# Altium PCB Slave.PcbDoc (part 6 of 12) (continued)
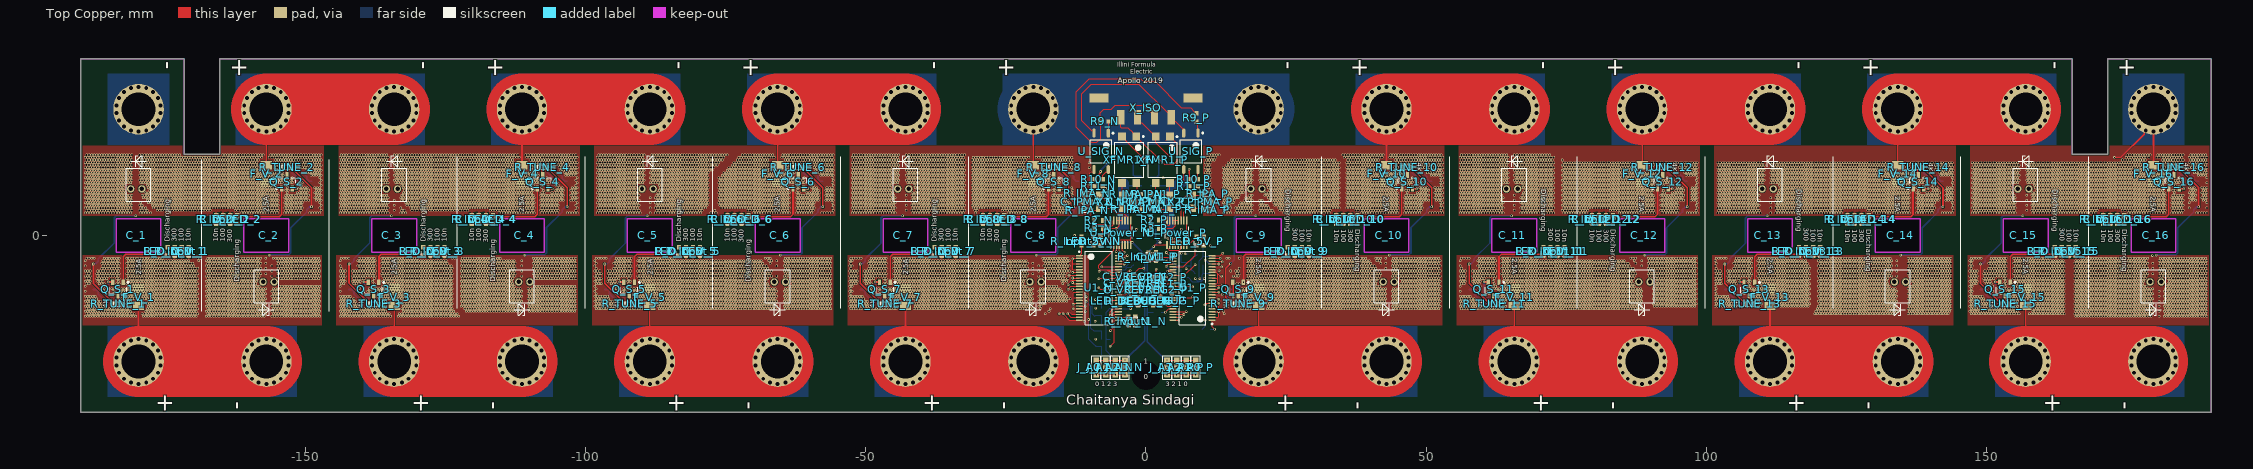
[diagram p0: Top Copper view]
## Nets (pads, with @x,y where several pads share a name; then routed paths per layer and width w, separated by ;. In a path a pad name is that pad's centre, name@x,y a point inside that pad or via, vN(x,y) a via of type N, cw(c..) or ccw(c..) an arc to the next point about the centre after c; other vN are vias at no path point) (continued)
-81.65,13.9 -81.2,13.9 -80.75,13.9 -80.3,13.9 -79.85,13.9 -79.4,13.9 -78.95,13.9 -78.5,13.9 -78.05,13.9 -77.6,13.9 -77.15,13.9 -76.7,13.9 -76.25,13.9 -75.8,13.9 -75.35,13.9 -72.65,13.9 -72.2,13.9 -71.75,13.9 -71.3,13.9 -70.85,13.9 -70.4,13.9 -69.95,13.9 -69.5,13.9 -69.05,13.9 -68.6,13.9 -68.15,13.9 -67.7,13.9 -67.25,13.9 -66.8,13.9 -66.35,13.9 -65,13.9 -64.55,13.9 -64.1,13.9 -63.65,13.9 -63.2,13.9 -62.75,13.9 -62.3,13.9 -61.85,13.9 -61.4,13.9 -60.95,13.9 -60.5,13.9 -60.05,13.9 -59.6,13.9 -59.15,13.9 -58.7,13.9 -58.25,13.9 -57.8,13.9 -57.35,13.9 -56.9,13.9 -56.45,13.9 -56,13.9 -97.625,14.35 -97.175,14.35 -96.725,14.35 -96.275,14.35 -95.825,14.35 -95.375,14.35 -94.925,14.35 -94.475,14.35 -94.025,14.35 -93.575,14.35 -93.125,14.35 -92.675,14.35 -92.225,14.35 -91.775,14.35 -91.325,14.35 -90.875,14.35 -90.425,14.35 -89.975,14.35 -89.525,14.35 -88.175,14.35 -87.725,14.35 -87.275,14.35 -86.825,14.35 -86.375,14.35 -85.925,14.35 -85.475,14.35 -85.025,14.35 -84.575,14.35 -84.125,14.35 -83.675,14.35 -83.225,14.35 -82.775,14.35 -82.325,14.35 -81.875,14.35 -81.425,14.35 -80.975,14.35 -80.525,14.35 -80.075,14.35 -79.625,14.35 -79.175,14.35 -78.725,14.35 -78.275,14.35 -77.825,14.35 -77.375,14.35 -76.925,14.35 -76.475,14.35 -76.025,14.35 -75.575,14.35 -75.125,14.35 -74.675,14.35 -71.975,14.35 -71.525,14.35 -71.075,14.35 -70.625,14.35 -70.175,14.35 -69.725,14.35 -69.275,14.35 -68.825,14.35 -68.375,14.35 -67.925,14.35 -67.475,14.35 -67.025,14.35 -66.575,14.35 -64.775,14.35 -64.325,14.35 -63.875,14.35 -63.425,14.35 -62.975,14.35 -62.525,14.35 -62.075,14.35 -61.625,14.35 -61.175,14.35 -60.725,14.35 -60.275,14.35 -59.825,14.35 -59.375,14.35 -58.925,14.35 -58.475,14.35 -58.025,14.35 -57.575,14.35 -57.125,14.35 -56.675,14.35 -56.225,14.35 -55.775,14.35
F_7: C_V_7.2 F_V_7.2 PTC_7.2 Q_D_7.2 R_D_LED_7.2 R_Input_7.1 | length 3.9
  Top Copper w0.254: R_D_LED_7.2@-36.45,-3.6 R_Input_7.1@-35.2,-3.6 C_V_7.2@-33.95,-3.6
  Top Copper w0.305: F_V_7.2@-42.925,-9.48 v1@-42.925,-8.1
  other v1: -11.001,-15.35 -17.976,-14 -17.301,-13.55 -52.625,-13.1 -52.175,-13.1 -51.725,-13.1 -51.275,-13.1 -50.825,-13.1 -50.375,-13.1 -49.925,-13.1 -49.475,-13.1 -49.025,-13.1 -48.575,-13.1 -48.125,-13.1 -47.675,-13.1 -47.225,-13.1 -46.775,-13.1 -46.325,-13.1 -45.875,-13.1 -45.425,-13.1 -44.975,-13.1 -44.525,-13.1 -41.375,-13.1 -40.925,-13.1 -40.475,-13.1 -40.026,-13.1 -39.576,-13.1 -39.126,-13.1 -38.676,-13.1 -38.226,-13.1 -37.776,-13.1 -37.326,-13.1 -36.876,-13.1 -36.426,-13.1 -35.976,-13.1 -35.526,-13.1 -35.076,-13.1 -34.626,-13.1 -34.176,-13.1 -33.726,-13.1 -33.276,-13.1 -32.826,-13.1 -32.376,-13.1 -31.926,-13.1 -31.476,-13.1 -31.026,-13.1 -30.576,-13.1 -30.126,-13.1 -29.676,-13.1 -29.226,-13.1 -28.776,-13.1 -28.326,-13.1 -27.876,-13.1 -27.426,-13.1 -26.976,-13.1 -26.526,-13.1 -26.076,-13.1 -25.626,-13.1 -25.176,-13.1 -24.726,-13.1 -24.276,-13.1 -23.826,-13.1 -23.376,-13.1 -22.926,-13.1 -22.476,-13.1 -22.026,-13.1 -21.576,-13.1 -21.126,-13.1 -20.676,-13.1 -20.226,-13.1 -18.876,-13.1 -17.076,-13.1 -52.85,-12.65 -52.4,-12.65 -51.95,-12.65 -51.5,-12.65 -51.05,-12.65 -50.6,-12.65 -50.15,-12.65 -49.7,-12.65 -49.25,-12.65 -48.8,-12.65 -44.75,-12.65 -44.3,-12.65 -41.15,-12.65 -40.7,-12.65 -40.25,-12.65 -39.8,-12.65 -39.351,-12.65 -38.901,-12.65 -38.451,-12.65 -38.001,-12.65 -37.551,-12.65 -37.101,-12.65 -36.651,-12.65 -36.201,-12.65 -35.751,-12.65 -35.301,-12.65 -34.851,-12.65 -34.401,-12.65 -33.951,-12.65 -33.501,-12.65 -33.051,-12.65 -32.601,-12.65 -32.151,-12.65 -31.701,-12.65 -31.251,-12.65 -30.801,-12.65 -30.351,-12.65 -29.901,-12.65 -29.451,-12.65 -29.001,-12.65 -28.551,-12.65 -28.101,-12.65 -27.651,-12.65 -27.201,-12.65 -26.751,-12.65 -26.301,-12.65 -25.851,-12.65 -25.401,-12.65 -24.951,-12.65 -24.501,-12.65 -24.051,-12.65 -23.601,-12.65 -23.151,-12.65 -22.701,-12.65 -22.251,-12.65 -21.801,-12.65 -21.351,-12.65 -20.901,-12.65 -20.451,-12.65 -19.101,-12.65 -18.651,-12.65 -52.625,-12.2 -52.175,-12.2 -51.725,-12.2 -51.275,-12.2 -50.825,-12.2 -50.375,-12.2 -49.925,-12.2 -49.475,-12.2 -44.975,-12.2 -44.525,-12.2 -41.375,-12.2 -40.925,-12.2 -40.475,-12.2 -40.026,-12.2 -39.576,-12.2 -39.126,-12.2 -38.676,-12.2 -38.226,-12.2 -37.776,-12.2 -37.326,-12.2 -36.876,-12.2 -36.426,-12.2 -35.976,-12.2 -35.526,-12.2 -35.076,-12.2 -34.626,-12.2 -34.176,-12.2 -33.726,-12.2 -33.276,-12.2 -32.826,-12.2 -32.376,-12.2 -31.926,-12.2 -31.476,-12.2 -31.026,-12.2 -30.576,-12.2 -30.126,-12.2 -29.676,-12.2 -29.226,-12.2 -28.776,-12.2 -28.326,-12.2 -27.876,-12.2 -27.426,-12.2 -26.976,-12.2 -26.526,-12.2 -26.076,-12.2 -25.626,-12.2 -25.176,-12.2 -24.726,-12.2 -24.276,-12.2 -23.826,-12.2 -23.376,-12.2 -22.926,-12.2 -22.476,-12.2 -22.026,-12.2 -21.576,-12.2 -21.126,-12.2 -20.676,-12.2 -20.226,-12.2 -18.876,-12.2 -18.426,-12.2 -17.976,-12.2 -52.85,-11.75 -52.4,-11.75 -51.95,-11.75 -51.5,-11.75 -51.05,-11.75 -50.6,-11.75 -50.15,-11.75 -49.7,-11.75 -44.75,-11.75 -44.3,-11.75 -41.15,-11.75 -40.7,-11.75 -40.25,-11.75 -39.8,-11.75 -39.351,-11.75 -38.901,-11.75 -38.451,-11.75 -38.001,-11.75 -37.551,-11.75 -37.101,-11.75 -36.651,-11.75 -36.201,-11.75 -35.751,-11.75 -35.301,-11.75 -34.851,-11.75 -34.401,-11.75 -33.951,-11.75 -33.501,-11.75 -33.051,-11.75 -32.601,-11.75 -32.151,-11.75 -31.701,-11.75 -31.251,-11.75 -30.801,-11.75 -30.351,-11.75 -29.901,-11.75 -29.451,-11.75 -29.001,-11.75 -28.551,-11.75 -28.101,-11.75 -27.651,-11.75 -27.201,-11.75 -26.751,-11.75 -26.301,-11.75 -25.851,-11.75 -25.401,-11.75 -24.951,-11.75 -24.501,-11.75 -24.051,-11.75 -23.601,-11.75 -23.151,-11.75 -22.701,-11.75 -22.251,-11.75 -21.801,-11.75 -21.351,-11.75 -20.901,-11.75 -20.451,-11.75 -19.101,-11.75 -18.651,-11.75 -18.201,-11.75 -17.751,-11.75 -17.301,-11.75 -16.851,-11.75 -16.401,-11.75 -15.951,-11.75 -15.501,-11.75 -15.051,-11.75 -14.601,-11.75 -14.151,-11.75 -52.625,-11.3 -52.175,-11.3 -51.725,-11.3 -51.275,-11.3 -50.825,-11.3 -50.375,-11.3 -45.875,-11.3 -45.425,-11.3 -44.975,-11.3 -44.525,-11.3 -44.075,-11.3 -43.625,-11.3 -43.175,-11.3 -42.725,-11.3 -42.275,-11.3 -41.825,-11.3 -41.375,-11.3 -40.925,-11.3 -40.475,-11.3 -40.026,-11.3 -39.576,-11.3 -39.126,-11.3 -38.676,-11.3 -38.226,-11.3 -37.776,-11.3 -37.326,-11.3 -36.876,-11.3 -36.426,-11.3 -35.976,-11.3 -35.526,-11.3 -35.076,-11.3 -34.626,-11.3 -34.176,-11.3 -33.726,-11.3 -33.276,-11.3 -32.826,-11.3 -32.376,-11.3 -31.926,-11.3 -31.476,-11.3 -31.026,-11.3 -30.576,-11.3 -30.126,-11.3 -29.676,-11.3 -29.226,-11.3 -28.776,-11.3 -28.326,-11.3 -27.876,-11.3 -27.426,-11.3 -26.976,-11.3 -26.526,-11.3 -26.076,-11.3 -25.626,-11.3 -25.176,-11.3 -24.726,-11.3 -24.276,-11.3 -23.826,-11.3 -23.376,-11.3 -22.926,-11.3 -22.476,-11.3 -22.026,-11.3 -21.576,-11.3 -21.126,-11.3 -20.676,-11.3 -20.226,-11.3 -18.876,-11.3 -18.426,-11.3 -17.976,-11.3 -17.526,-11.3 -17.076,-11.3 -16.626,-11.3 -16.176,-11.3 -15.726,-11.3 -15.276,-11.3 -14.826,-11.3 -14.376,-11.3 -13.926,-11.3 -13.476,-11.3 -52.85,-10.85 -52.4,-10.85 -51.95,-10.85 -51.5,-10.85 -51.05,-10.85 -50.6,-10.85 -45.65,-10.85 -45.2,-10.85 -44.75,-10.85 -44.3,-10.85 -43.85,-10.85 -43.4,-10.85 -42.95,-10.85 -42.5,-10.85 -42.05,-10.85 -41.6,-10.85 -41.15,-10.85 -40.7,-10.85 -40.25,-10.85 -39.8,-10.85 -39.351,-10.85 -38.901,-10.85 -38.451,-10.85 -38.001,-10.85 -37.551,-10.85 -37.101,-10.85 -36.651,-10.85 -36.201,-10.85 -35.751,-10.85 -35.301,-10.85 -34.851,-10.85 -34.401,-10.85 -33.951,-10.85 -33.501,-10.85 -33.051,-10.85 -32.601,-10.85 -32.151,-10.85 -31.701,-10.85 -31.251,-10.85 -30.801,-10.85 -30.351,-10.85 -29.901,-10.85 -29.451,-10.85 -29.001,-10.85 -28.551,-10.85 -28.101,-10.85 -27.651,-10.85 -27.201,-10.85 -26.751,-10.85 -26.301,-10.85 -25.851,-10.85 -25.401,-10.85 -24.951,-10.85 -24.501,-10.85 -24.051,-10.85 -23.601,-10.85 -23.151,-10.85 -22.701,-10.85 -22.251,-10.85 -21.801,-10.85 -21.351,-10.85 -20.901,-10.85 -20.451,-10.85 -19.101,-10.85 -18.651,-10.85 -18.201,-10.85 -17.751,-10.85 -17.301,-10.85 -16.851,-10.85 -16.401,-10.85 -15.951,-10.85 -15.501,-10.85 -15.051,-10.85 -14.601,-10.85 -14.151,-10.85 -52.625,-10.4 -47.225,-10.4 -45.875,-10.4 -45.425,-10.4 -44.975,-10.4 -44.525,-10.4 -44.075,-10.4 -43.625,-10.4 -43.175,-10.4 -42.725,-10.4 -42.275,-10.4 -41.825,-10.4 -41.375,-10.4 -40.925,-10.4 -40.475,-10.4 -40.026,-10.4 -39.576,-10.4 -39.126,-10.4 -38.676,-10.4 -38.226,-10.4 -37.776,-10.4 -37.326,-10.4 -36.876,-10.4 -36.426,-10.4 -35.976,-10.4 -35.526,-10.4 -35.076,-10.4 -34.626,-10.4 -34.176,-10.4 -33.726,-10.4 -33.276,-10.4 -32.826,-10.4 -32.376,-10.4 -31.926,-10.4 -31.476,-10.4 -31.026,-10.4 -30.576,-10.4 -30.126,-10.4 -29.676,-10.4 -29.226,-10.4 -28.776,-10.4 -28.326,-10.4 -27.876,-10.4 -27.426,-10.4 -26.976,-10.4 -26.526,-10.4 -26.076,-10.4 -25.626,-10.4 -25.176,-10.4 -24.726,-10.4 -24.276,-10.4 -23.826,-10.4 -23.376,-10.4 -22.926,-10.4 -22.476,-10.4 -22.026,-10.4 -21.576,-10.4 -21.126,-10.4 -20.676,-10.4 -20.226,-10.4 -18.876,-10.4 -18.426,-10.4 -17.976,-10.4 -17.526,-10.4 -17.076,-10.4 -16.626,-10.4 -16.176,-10.4 -15.726,-10.4 -15.276,-10.4 -14.826,-10.4 -14.376,-10.4 -52.85,-9.95 -52.4,-9.95 -48.8,-9.95 -47.45,-9.95 -46.1,-9.95 -45.65,-9.95 -45.2,-9.95 -44.75,-9.95 -44.3,-9.95 -43.85,-9.95 -43.4,-9.95 -42.95,-9.95 -42.5,-9.95 -42.05,-9.95 -41.6,-9.95 -41.15,-9.95 -40.7,-9.95 -40.25,-9.95 -39.8,-9.95 -39.351,-9.95 -38.901,-9.95 -38.451,-9.95 -38.001,-9.95 -37.551,-9.95 -37.101,-9.95 -36.651,-9.95 -36.201,-9.95 -35.751,-9.95 -35.301,-9.95 -34.851,-9.95 -34.401,-9.95 -33.951,-9.95 -33.501,-9.95 -33.051,-9.95 -32.601,-9.95 -32.151,-9.95 -31.701,-9.95 -31.251,-9.95 -30.801,-9.95 -30.351,-9.95 -29.901,-9.95 -29.451,-9.95 -29.001,-9.95 -28.551,-9.95 -28.101,-9.95 -27.651,-9.95 -27.201,-9.95 -26.751,-9.95 -26.301,-9.95 -25.851,-9.95 -25.401,-9.95 -24.951,-9.95 -24.501,-9.95 -24.051,-9.95 -23.601,-9.95 -23.151,-9.95 -22.701,-9.95 -22.251,-9.95 -21.801,-9.95 -21.351,-9.95 -20.901,-9.95 -20.451,-9.95 -19.101,-9.95 -18.651,-9.95 -18.201,-9.95 -17.751,-9.95 -17.301,-9.95 -16.851,-9.95 -16.401,-9.95 -15.951,-9.95 -15.501,-9.95 -15.051,-9.95 -52.625,-9.5 -49.025,-9.5 -47.675,-9.5 -47.225,-9.5 -46.775,-9.5 -46.325,-9.5 -45.875,-9.5 -45.425,-9.5 -44.975,-9.5 -44.525,-9.5 -44.075,-9.5 -43.625,-9.5 -43.175,-9.5 -42.725,-9.5 -42.275,-9.5 -41.825,-9.5 -41.375,-9.5 -40.925,-9.5 -40.475,-9.5 -40.026,-9.5 -39.576,-9.5 -39.126,-9.5 -38.676,-9.5 -38.226,-9.5 -37.776,-9.5 -37.326,-9.5 -36.876,-9.5 -36.426,-9.5 -35.976,-9.5 -35.526,-9.5 -35.076,-9.5 -34.626,-9.5 -34.176,-9.5 -33.726,-9.5 -33.276,-9.5 -32.826,-9.5 -32.376,-9.5 -31.926,-9.5 -31.476,-9.5 -31.026,-9.5 -30.576,-9.5 -30.126,-9.5 -29.676,-9.5 -29.226,-9.5 -28.776,-9.5 -28.326,-9.5 -27.876,-9.5 -27.426,-9.5 -26.976,-9.5 -26.526,-9.5 -26.076,-9.5 -25.626,-9.5 -25.176,-9.5 -24.726,-9.5 -24.276,-9.5 -23.826,-9.5 -23.376,-9.5 -22.926,-9.5 -22.476,-9.5 -22.026,-9.5 -21.576,-9.5 -21.126,-9.5 -20.676,-9.5 -20.226,-9.5 -18.876,-9.5 -18.426,-9.5 -17.976,-9.5 -17.526,-9.5 -17.076,-9.5 -16.626,-9.5 -16.176,-9.5 -15.726,-9.5 -15.276,-9.5 -52.85,-9.05 -52.4,-9.05 -49.25,-9.05 -48.8,-9.05 -46.55,-9.05 -44.75,-9.05 -44.3,-9.05 -43.85,-9.05 -43.4,-9.05 -42.95,-9.05 -42.5,-9.05 -42.05,-9.05 -41.6,-9.05 -41.15,-9.05 -40.7,-9.05 -40.25,-9.05 -39.8,-9.05 -39.351,-9.05 -38.901,-9.05 -38.451,-9.05 -38.001,-9.05 -37.551,-9.05 -37.101,-9.05 -36.651,-9.05 -36.201,-9.05 -35.751,-9.05 -35.301,-9.05 -34.851,-9.05 -34.401,-9.05 -33.951,-9.05 -33.501,-9.05 -33.051,-9.05 -32.601,-9.05 -32.151,-9.05 -31.701,-9.05 -31.251,-9.05 -30.801,-9.05 -30.351,-9.05 -29.901,-9.05 -29.451,-9.05 -29.001,-9.05 -28.551,-9.05 -28.101,-9.05 -27.651,-9.05 -27.201,-9.05 -26.751,-9.05 -26.301,-9.05 -25.851,-9.05 -25.401,-9.05 -24.951,-9.05 -24.501,-9.05 -24.051,-9.05 -23.601,-9.05 -23.151,-9.05 -22.701,-9.05 -22.251,-9.05 -21.801,-9.05 -21.351,-9.05 -17.751,-9.05 -17.301,-9.05 -16.851,-9.05 -16.401,-9.05 -15.951,-9.05 -52.625,-8.6 -52.175,-8.6 -51.725,-8.6 -49.925,-8.6 -49.475,-8.6 -49.025,-8.6 -46.775,-8.6 -46.325,-8.6 -44.975,-8.6 -44.525,-8.6 -44.075,-8.6 -43.625,-8.6 -43.175,-8.6 -42.725,-8.6 -42.275,-8.6 -41.825,-8.6 -41.375,-8.6 -40.925,-8.6 -40.475,-8.6 -40.026,-8.6 -39.576,-8.6 -39.126,-8.6 -38.676,-8.6 -38.226,-8.6 -37.776,-8.6 -37.326,-8.6 -36.876,-8.6 -36.426,-8.6 -35.976,-8.6 -35.526,-8.6 -35.076,-8.6 -34.626,-8.6 -34.176,-8.6 -33.726,-8.6 -33.276,-8.6 -32.826,-8.6 -32.376,-8.6 -31.926,-8.6 -31.476,-8.6 -31.026,-8.6 -30.576,-8.6 -30.126,-8.6 -29.676,-8.6 -29.226,-8.6 -28.776,-8.6 -28.326,-8.6 -27.876,-8.6 -27.426,-8.6 -26.976,-8.6 -26.526,-8.6 -26.076,-8.6 -25.626,-8.6 -25.176,-8.6 -24.726,-8.6 -24.276,-8.6 -23.826,-8.6 -23.376,-8.6 -22.926,-8.6 -22.476,-8.6 -22.026,-8.6 -14.826,-8.6 -52.85,-8.15 -52.4,-8.15 -51.95,-8.15 -51.5,-8.15 -50.15,-8.15 -49.7,-8.15 -49.25,-8.15 -46.55,-8.15 -44.75,-8.15 -44.3,-8.15 -43.85,-8.15 -43.4,-8.15 -42.95,-8.15 -42.5,-8.15 -42.05,-8.15 -41.6,-8.15 -41.15,-8.15 -40.7,-8.15 -40.25,-8.15 -39.8,-8.15 -39.351,-8.15 -38.901,-8.15 -38.451,-8.15 -38.001,-8.15 -37.551,-8.15 -37.101,-8.15 -36.651,-8.15 -36.201,-8.15 -35.751,-8.15 -35.301,-8.15 -34.851,-8.15 -34.401,-8.15 -33.951,-8.15 -33.501,-8.15 -33.051,-8.15 -32.601,-8.15 -32.151,-8.15 -31.701,-8.15 -31.251,-8.15 -30.801,-8.15 -30.351,-8.15 -29.901,-8.15 -29.451,-8.15 -29.001,-8.15 -28.551,-8.15 -28.101,-8.15 -27.651,-8.15 -27.201,-8.15 -26.751,-8.15 -26.301,-8.15 -25.851,-8.15 -25.401,-8.15 -24.951,-8.15 -24.501,-8.15 -24.051,-8.15 -23.601,-8.15 -23.151,-8.15 -22.701,-8.15 -22.251,-8.15 -21.801,-8.15 -15.051,-8.15 -14.601,-8.15 -14.151,-8.15 -52.625,-7.7 -52.175,-7.7 -51.725,-7.7 -50.375,-7.7 -49.925,-7.7 -49.475,-7.7 -49.025,-7.7 -48.575,-7.7 -46.775,-7.7 -46.325,-7.7 -44.975,-7.7 -44.525,-7.7 -44.075,-7.7 -43.625,-7.7 -43.175,-7.7 -42.725,-7.7 -42.275,-7.7 -41.825,-7.7 -41.375,-7.7 -40.925,-7.7 -40.475,-7.7 -40.026,-7.7 -39.576,-7.7 -39.126,-7.7 -38.676,-7.7 -38.226,-7.7 -37.776,-7.7 -37.326,-7.7 -36.876,-7.7 -36.426,-7.7 -35.976,-7.7 -35.526,-7.7 -35.076,-7.7 -34.626,-7.7 -34.176,-7.7 -33.726,-7.7 -33.276,-7.7 -32.826,-7.7 -32.376,-7.7 -31.926,-7.7 -31.476,-7.7 -31.026,-7.7 -30.576,-7.7 -30.126,-7.7 -29.676,-7.7 -29.226,-7.7 -28.776,-7.7 -28.326,-7.7 -27.876,-7.7 -27.426,-7.7 -26.976,-7.7 -26.526,-7.7 -26.076,-7.7 -25.626,-7.7 -25.176,-7.7 -24.726,-7.7 -24.276,-7.7 -23.826,-7.7 -23.376,-7.7 -22.926,-7.7 -22.476,-7.7 -22.026,-7.7 -21.576,-7.7 -17.526,-7.7 -17.076,-7.7 -16.626,-7.7 -16.176,-7.7 -15.726,-7.7 -15.276,-7.7 -14.826,-7.7 -14.376,-7.7 -13.926,-7.7 -52.85,-7.25 -52.4,-7.25 -51.95,-7.25 -51.5,-7.25 -50.15,-7.25 -49.7,-7.25 -49.25,-7.25 -48.8,-7.25 -48.35,-7.25 -47.9,-7.25 -47.45,-7.25 -47,-7.25 -46.55,-7.25 -44.75,-7.25 -44.3,-7.25 -43.85,-7.25 -43.4,-7.25 -42.95,-7.25 -42.5,-7.25 -42.05,-7.25 -41.6,-7.25 -41.15,-7.25 -40.7,-7.25 -40.25,-7.25 -39.8,-7.25 -39.351,-7.25 -38.901,-7.25 -38.451,-7.25 -38.001,-7.25 -37.551,-7.25 -37.101,-7.25 -36.651,-7.25 -36.201,-7.25 -35.751,-7.25 -35.301,-7.25 -34.851,-7.25 -34.401,-7.25 -33.951,-7.25 -33.501,-7.25 -33.051,-7.25 -32.601,-7.25 -32.151,-7.25 -31.701,-7.25 -31.251,-7.25 -30.801,-7.25 -30.351,-7.25 -29.901,-7.25 -29.451,-7.25 -29.001,-7.25 -28.551,-7.25 -28.101,-7.25 -27.651,-7.25 -27.201,-7.25 -26.751,-7.25 -26.301,-7.25 -25.851,-7.25 -25.401,-7.25 -24.951,-7.25 -24.501,-7.25 -24.051,-7.25 -23.601,-7.25 -23.151,-7.25 -22.701,-7.25 -22.251,-7.25 -21.801,-7.25 -21.351,-7.25 -19.101,-7.25 -18.201,-7.25 -17.751,-7.25 -17.301,-7.25 -16.851,-7.25 -16.401,-7.25 -15.951,-7.25 -15.501,-7.25 -15.051,-7.25 -14.601,-7.25 -52.625,-6.8 -52.175,-6.8 -51.725,-6.8 -50.375,-6.8 -49.925,-6.8 -49.475,-6.8 -49.025,-6.8 -48.575,-6.8 -48.125,-6.8 -47.675,-6.8 -47.225,-6.8 -46.775,-6.8 -46.325,-6.8 -44.975,-6.8 -44.525,-6.8 -44.075,-6.8 -43.625,-6.8 -43.175,-6.8 -42.725,-6.8 -42.275,-6.8 -41.825,-6.8 -41.375,-6.8 -40.925,-6.8 -40.475,-6.8 -40.026,-6.8 -39.576,-6.8 -39.126,-6.8 -38.676,-6.8 -38.226,-6.8 -37.776,-6.8 -37.326,-6.8 -36.876,-6.8 -36.426,-6.8 -35.976,-6.8 -35.526,-6.8 -35.076,-6.8 -34.626,-6.8 -34.176,-6.8 -33.726,-6.8 -33.276,-6.8 -32.826,-6.8 -32.376,-6.8 -31.926,-6.8 -31.476,-6.8 -31.026,-6.8 -30.576,-6.8 -30.126,-6.8 -29.676,-6.8 -29.226,-6.8 -28.776,-6.8 -28.326,-6.8 -27.876,-6.8 -27.426,-6.8 -26.976,-6.8 -26.526,-6.8 -26.076,-6.8 -25.626,-6.8 -25.176,-6.8 -24.726,-6.8 -24.276,-6.8 -23.826,-6.8 -23.376,-6.8 -22.926,-6.8 -22.476,-6.8 -22.026,-6.8 -21.576,-6.8 -21.126,-6.8 -20.226,-6.8 -17.976,-6.8 -17.526,-6.8 -17.076,-6.8 -16.626,-6.8 -16.176,-6.8 -15.726,-6.8 -15.276,-6.8 -14.826,-6.8 -14.376,-6.8 -52.85,-6.35 -52.4,-6.35 -51.95,-6.35 -51.5,-6.35 -50.15,-6.35 -49.7,-6.35 -49.25,-6.35 -48.8,-6.35 -48.35,-6.35 -47.9,-6.35 -47.45,-6.35 -47,-6.35 -46.55,-6.35 -44.75,-6.35 -44.3,-6.35 -43.85,-6.35 -43.4,-6.35 -42.95,-6.35 -42.5,-6.35 -42.05,-6.35 -41.6,-6.35 -41.15,-6.35 -40.7,-6.35 -40.25,-6.35 -39.8,-6.35 -39.351,-6.35 -38.901,-6.35 -38.451,-6.35 -38.001,-6.35 -37.551,-6.35 -37.101,-6.35 -36.651,-6.35 -36.201,-6.35 -35.751,-6.35 -35.301,-6.35 -34.851,-6.35 -34.401,-6.35 -33.951,-6.35 -33.501,-6.35 -33.051,-6.35 -32.601,-6.35 -32.151,-6.35 -31.701,-6.35 -31.251,-6.35 -30.801,-6.35 -30.351,-6.35 -29.901,-6.35 -29.451,-6.35 -29.001,-6.35 -28.551,-6.35 -28.101,-6.35 -27.651,-6.35 -27.201,-6.35 -26.751,-6.35 -26.301,-6.35 -25.851,-6.35 -25.401,-6.35 -24.951,-6.35 -24.501,-6.35 -24.051,-6.35 -23.601,-6.35 -23.151,-6.35 -22.701,-6.35 -22.251,-6.35 -21.801,-6.35 -21.351,-6.35 -19.101,-6.35 -18.201,-6.35 -17.751,-6.35 -17.301,-6.35 -16.851,-6.35 -16.401,-6.35 -15.951,-6.35 -15.501,-6.35 -15.051,-6.35 -14.601,-6.35 -14.151,-6.35 -13.701,-6.35 -52.625,-5.9 -49.475,-5.9 -49.025,-5.9 -48.575,-5.9 -48.125,-5.9 -47.675,-5.9 -47.225,-5.9 -46.775,-5.9 -46.325,-5.9 -44.975,-5.9 -44.525,-5.9 -44.075,-5.9 -43.625,-5.9 -43.175,-5.9 -42.725,-5.9 -42.275,-5.9 -41.825,-5.9 -41.375,-5.9 -40.925,-5.9 -40.475,-5.9 -40.026,-5.9 -39.576,-5.9 -39.126,-5.9 -38.676,-5.9 -38.226,-5.9 -37.776,-5.9 -37.326,-5.9 -36.876,-5.9 -36.426,-5.9 -35.976,-5.9 -35.526,-5.9 -35.076,-5.9 -34.626,-5.9 -34.176,-5.9 -33.726,-5.9 -33.276,-5.9 -32.826,-5.9 -32.376,-5.9 -31.926,-5.9 -31.476,-5.9 -31.026,-5.9 -30.576,-5.9 -30.126,-5.9 -29.676,-5.9 -29.226,-5.9 -28.776,-5.9 -28.326,-5.9 -27.876,-5.9 -27.426,-5.9 -26.976,-5.9 -26.526,-5.9 -26.076,-5.9 -25.626,-5.9 -25.176,-5.9 -24.726,-5.9 -24.276,-5.9 -23.826,-5.9 -23.376,-5.9 -22.926,-5.9 -22.476,-5.9 -22.026,-5.9 -21.576,-5.9 -21.126,-5.9 -20.226,-5.9 -17.976,-5.9 -17.526,-5.9 -17.076,-5.9 -16.626,-5.9 -16.176,-5.9 -15.726,-5.9 -15.276,-5.9 -14.826,-5.9 -14.376,-5.9 -13.926,-5.9 -52.85,-5.45 -52.4,-5.45 -49.25,-5.45 -48.8,-5.45 -48.35,-5.45 -47.9,-5.45 -47.45,-5.45 -47,-5.45 -46.55,-5.45 -44.75,-5.45 -44.3,-5.45 -43.85,-5.45 -43.4,-5.45 -42.95,-5.45 -42.5,-5.45 -42.05,-5.45 -41.6,-5.45 -41.15,-5.45 -40.7,-5.45 -40.25,-5.45 -39.8,-5.45 -39.351,-5.45 -38.901,-5.45 -38.451,-5.45 -38.001,-5.45 -37.551,-5.45 -37.101,-5.45 -36.651,-5.45 -36.201,-5.45 -35.751,-5.45 -35.301,-5.45 -34.851,-5.45 -34.401,-5.45 -33.951,-5.45 -33.501,-5.45 -33.051,-5.45 -32.601,-5.45 -32.151,-5.45 -31.701,-5.45 -31.251,-5.45 -30.801,-5.45 -30.351,-5.45 -29.901,-5.45 -29.451,-5.45 -29.001,-5.45 -28.551,-5.45 -28.101,-5.45 -27.651,-5.45 -27.201,-5.45 -26.751,-5.45 -26.301,-5.45 -25.851,-5.45 -25.401,-5.45 -24.951,-5.45 -24.501,-5.45 -24.051,-5.45 -23.601,-5.45 -23.151,-5.45 -22.701,-5.45 -22.251,-5.45 -21.801,-5.45 -21.351,-5.45 -19.101,-5.45 -18.201,-5.45 -17.751,-5.45 -17.301,-5.45 -16.851,-5.45 -16.401,-5.45 -15.951,-5.45 -15.501,-5.45 -15.051,-5.45 -14.601,-5.45 -14.151,-5.45 -13.701,-5.45 -52.625,-5 -49.475,-5 -49.025,-5 -48.575,-5 -48.125,-5 -47.675,-5 -47.225,-5 -46.775,-5 -46.325,-5 -44.975,-5 -44.525,-5 -44.075,-5 -43.625,-5 -43.175,-5 -42.725,-5 -42.275,-5 -41.825,-5 -41.375,-5 -40.925,-5 -40.475,-5 -40.026,-5 -39.576,-5 -39.126,-5 -38.676,-5 -38.226,-5 -37.776,-5 -37.326,-5 -36.876,-5 -36.426,-5 -35.976,-5 -35.526,-5 -35.076,-5 -34.626,-5 -34.176,-5 -33.726,-5 -33.276,-5 -32.826,-5 -32.376,-5 -31.926,-5 -31.476,-5 -31.026,-5 -30.576,-5 -30.126,-5 -29.676,-5 -29.226,-5 -28.776,-5 -28.326,-5 -27.876,-5 -27.426,-5 -26.976,-5 -26.526,-5 -26.076,-5 -25.626,-5 -25.176,-5 -24.726,-5 -24.276,-5 -23.826,-5 -23.376,-5 -22.926,-5 -22.476,-5 -22.026,-5 -21.576,-5 -21.126,-5 -20.226,-5 -17.976,-5 -17.526,-5 -17.076,-5 -16.626,-5 -16.176,-5 -15.726,-5 -15.276,-5 -14.826,-5 -14.376,-5 -13.926,-5 -52.85,-4.55 -52.4,-4.55 -49.25,-4.55 -48.8,-4.55 -48.35,-4.55 -47.9,-4.55 -47.45,-4.55 -47,-4.55 -46.55,-4.55 -44.75,-4.55 -44.3,-4.55 -43.85,-4.55 -43.4,-4.55 -42.95,-4.55 -42.5,-4.55 -42.05,-4.55 -41.6,-4.55 -41.15,-4.55 -40.7,-4.55 -40.25,-4.55 -39.8,-4.55 -39.351,-4.55 -38.901,-4.55 -38.451,-4.55 -38.001,-4.55 -37.551,-4.55 -37.101,-4.55 -36.651,-4.55 -36.201,-4.55 -35.751,-4.55 -35.301,-4.55 -34.851,-4.55 -34.401,-4.55 -33.951,-4.55 -33.501,-4.55 -33.051,-4.55 -32.601,-4.55 -32.151,-4.55 -31.701,-4.55 -31.251,-4.55 -30.801,-4.55 -30.351,-4.55 -29.901,-4.55 -29.451,-4.55 -29.001,-4.55 -28.551,-4.55 -28.101,-4.55 -27.651,-4.55 -27.201,-4.55 -26.751,-4.55 -26.301,-4.55 -25.851,-4.55 -25.401,-4.55 -24.951,-4.55 -24.501,-4.55 -24.051,-4.55 -23.601,-4.55 -23.151,-4.55 -22.701,-4.55 -22.251,-4.55 -21.801,-4.55 -21.351,-4.55 -18.201,-4.55 -17.751,-4.55 -17.301,-4.55 -16.851,-4.55 -16.401,-4.55 -15.951,-4.55 -15.501,-4.55 -15.051,-4.55 -14.601,-4.55 -14.151,-4.55 -13.701,-4.55 -52.625,-4.1 -52.175,-4.1 -51.725,-4.1 -51.275,-4.1 -50.825,-4.1 -49.025,-4.1 -48.575,-4.1 -48.125,-4.1 -47.675,-4.1 -47.225,-4.1 -46.775,-4.1 -46.325,-4.1 -44.975,-4.1 -44.525,-4.1 -44.075,-4.1 -43.625,-4.1 -43.175,-4.1 -42.725,-4.1 -42.275,-4.1 -41.825,-4.1 -41.375,-4.1 -40.925,-4.1 -40.475,-4.1 -40.026,-4.1 -39.576,-4.1 -39.126,-4.1 -38.676,-4.1 -18.426,-4.1 -17.976,-4.1 -17.526,-4.1 -17.076,-4.1 -16.626,-4.1 -16.176,-4.1 -15.726,-4.1 -15.276,-4.1 -14.826,-4.1 -14.376,-4.1 -13.926,-4.1